# KiCad board MiniCamel.kicad_pcb (continued)
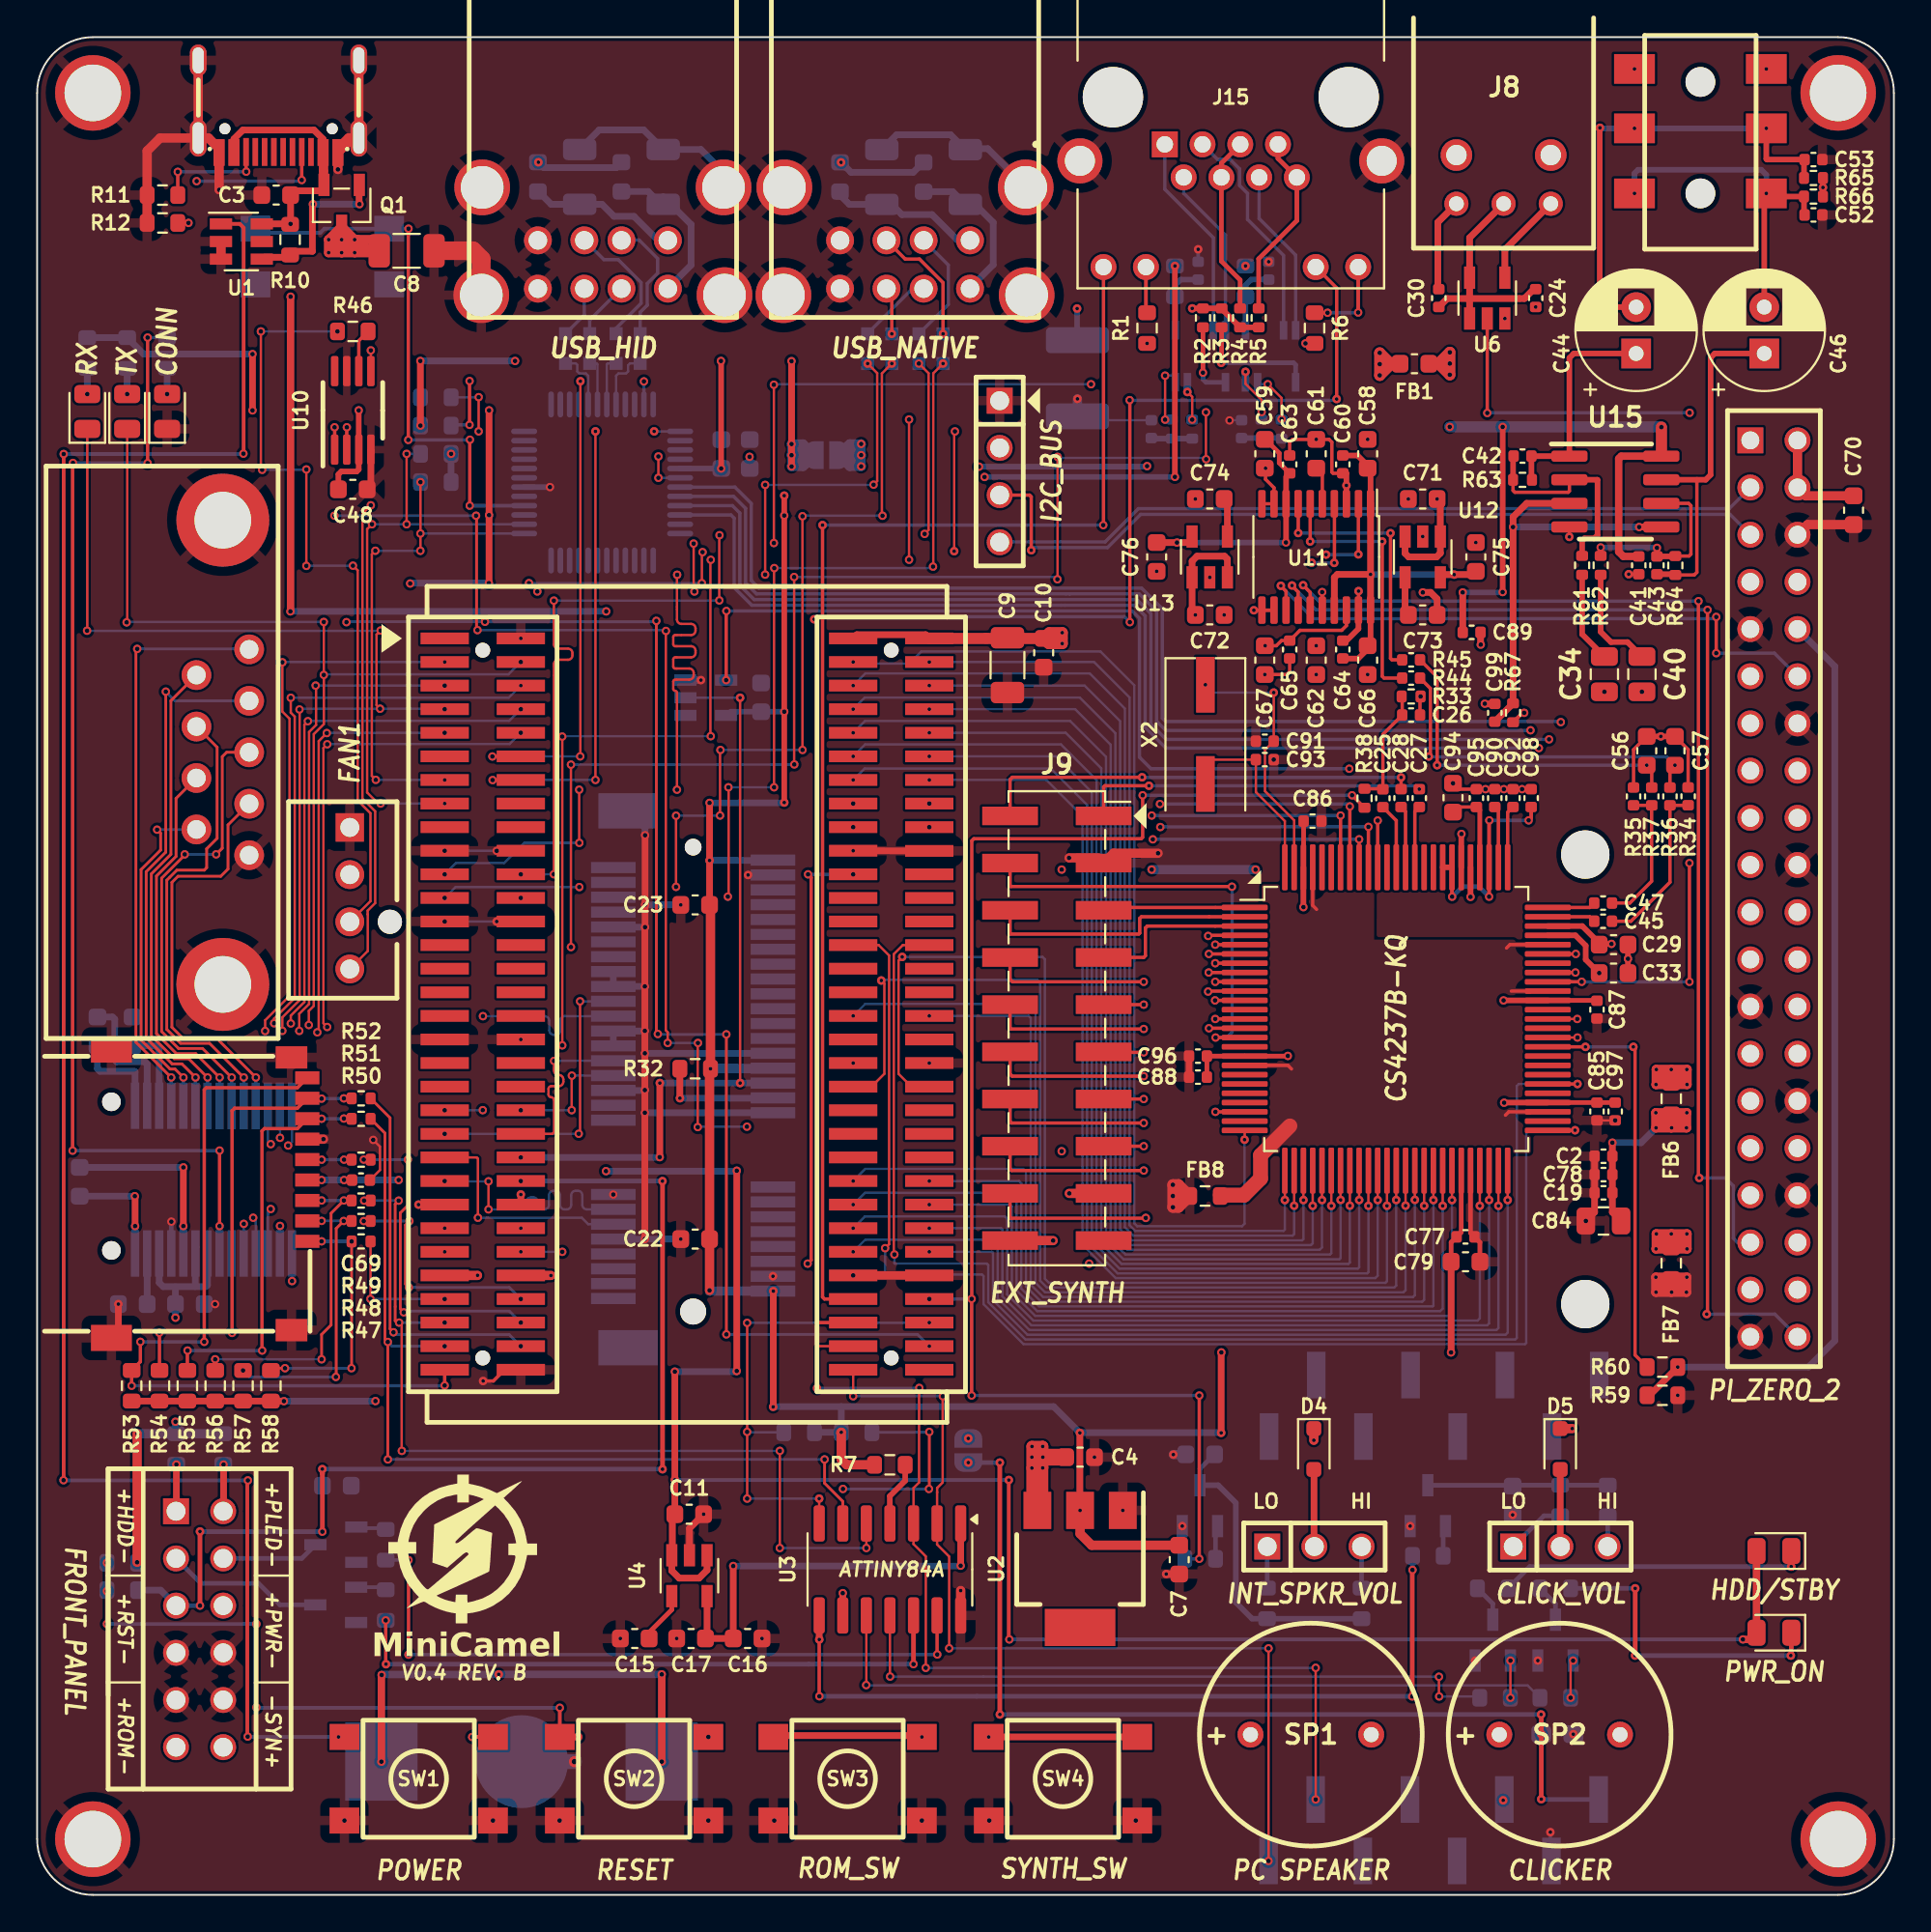
[diagram p0: board, top side]
## Copper pours and planes (outline as drawn; the poured copper is in the pictures) (continued)
AGND on In1.Cu: 94.56,100.11 74.23,100 74.2,79.2 65.28,79.19 65.28,75.98 59.42,75.98 59.4,67.79 65.29,67.79 65.24,54.49 72.07,54.5 72.07,51.49 80.21,51.49 80.23,34.1 88.95,34.09 90.53,34.09 90.57,80.43 100.01,80.45 100.06,100.11
GND on Top, Bottom, In1.Cu: -0.03,100.04 -0.01,-0.01 100.07,0.02 100.06,100.11
SGND on Top: 80.45,39.9 80.46,51.42 72.01,51.42 72.02,55.8 66.8,55.8 66.8,54.4 65.95,54.4 65.95,53.56 64.55,53.55 64.55,40.75 65.95,40.75 65.95,39.9 66.8,39.9 66.8,38.5 79.6,38.5 79.6,39.9
VCC on In2.Cu: -0.03,100.04 -0.01,-0.01 100.07,0.02 100.06,100.11

## Text on the board
B.Silkscreen: HIDman: / Hold HID_PRG and connect USB cable to programmer / Flash desired firmware and disconnect USB cable / After programming the HIDman, place solder blob / on JP3 for normal operation / ESP Modem: / Connect USB-C cable to ESP modem and / flash desired firmware from programmer / After programming, please solder blob / on JP6 for normal operation / ATTINY84: / Flash desired HEX file to ATTINY84A / Reboot device to enter normal operation | Based on: / TinyLlama x86 SBC v2.1 / by: Eivind Bøhler
F.Silkscreen: V0.4 REV. B | LO | HI | MiniCamel
